# KiCad board bells-venn-rounded.kicad_pcb (continued)
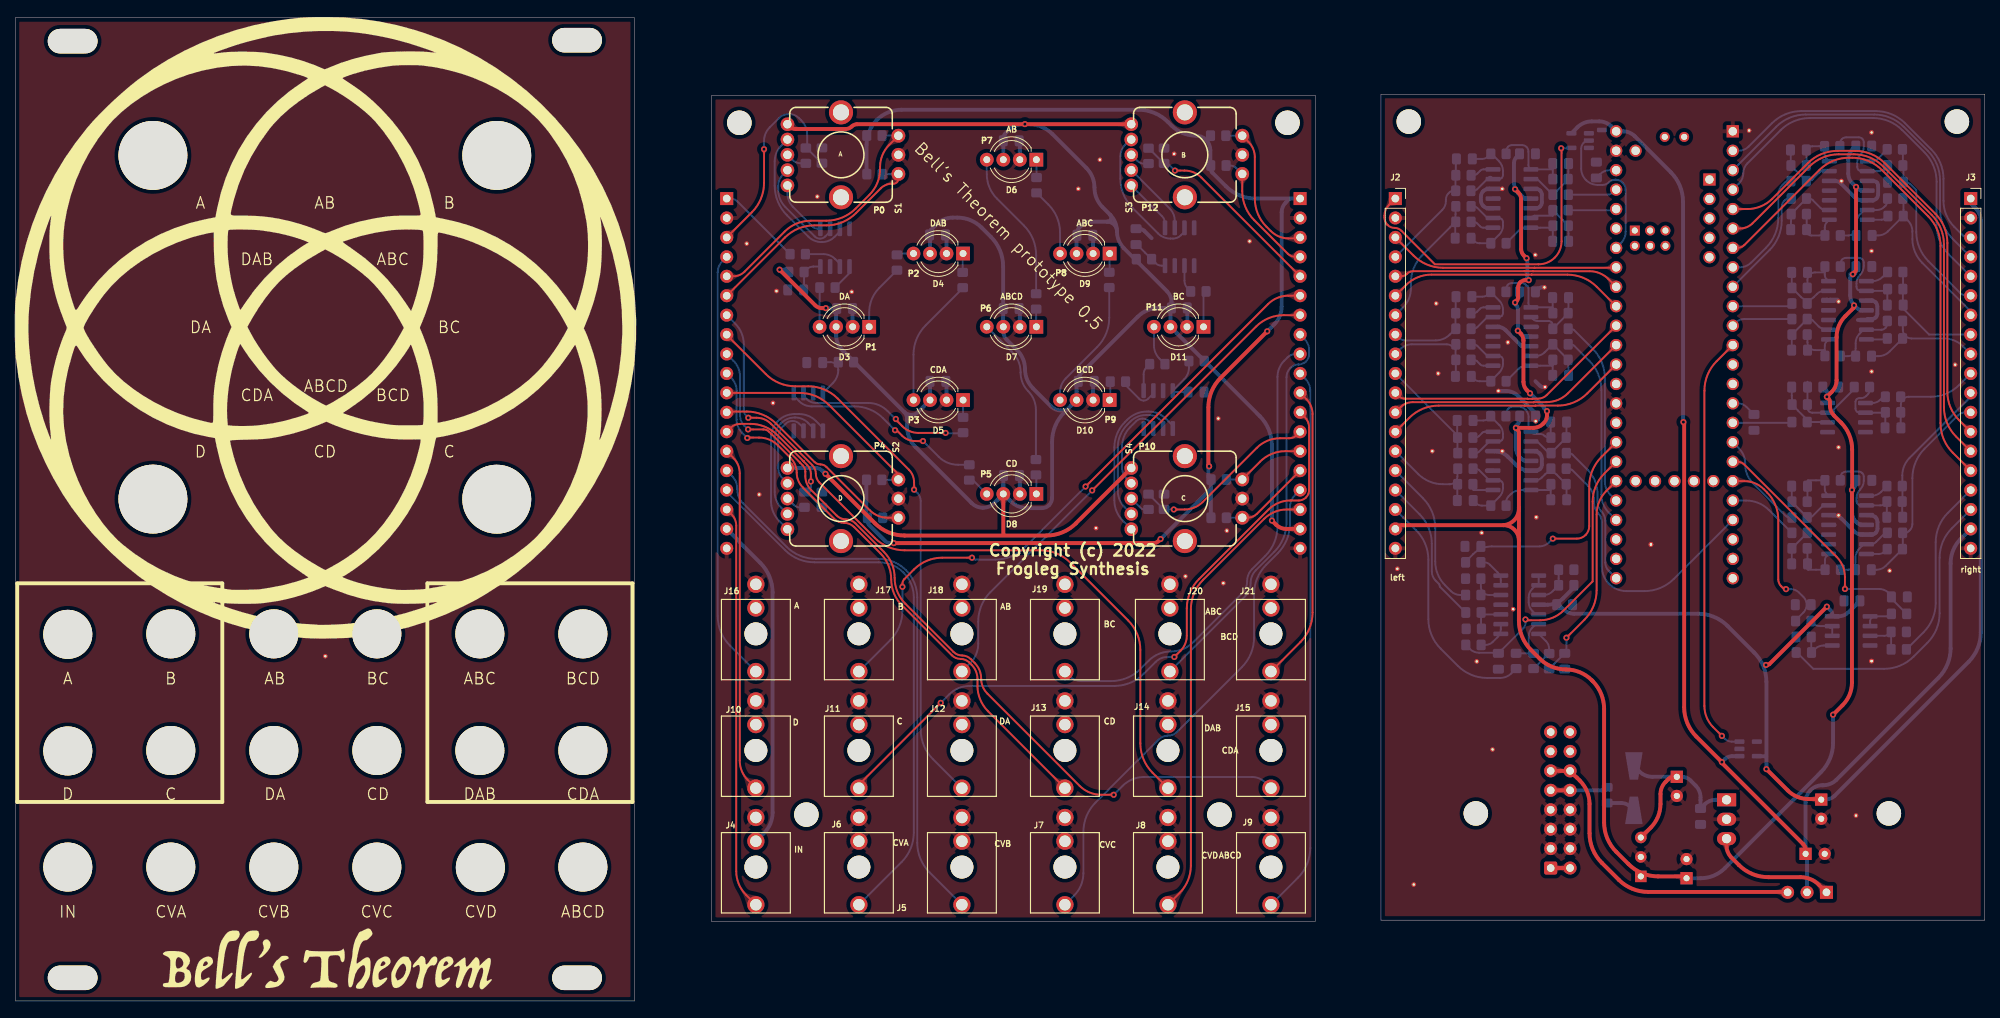
[diagram p0: board, top side]
## Routing (per net, layer and track width the routed paths; a pad name or vN(x,y) marks a point on that pad's centre or on a via; arc(x,y) is an arc through that point) (continued)
Net-(C59-Pad2): length 3.3
  Bottom w0.25: U1.15 225.09,78.11 arc(225.7,77.98) 226.22,77.64 C59.2
Net-(C60-Pad1): length 2.9
  Bottom w0.25: U1.46 208.34,108.59 arc(207.67,108.45) 207.11,108.08 C60.1
Net-(C62-Pad2): length 8.6
  Bottom w0.25: 244.35,61.19 243.14,59.98 arc(242.79,59.75) 242.38,59.66 241.94,59.66 ; U6.6 241.72,59.69 arc(241.55,59.66) 241.4,59.56 241,59.15 arc(240.6,58.56) 240.46,57.86 240.46,57.34 arc(240.17,56.65) 239.48,56.36 R46.1
Net-(C63-Pad2): length 9.3
  Bottom w0.25: R44.1 238.49,84.29 arc(238.51,84.28) 238.52,84.28 239.5,84.28 arc(240.2,84.57) 240.49,85.27 240.49,85.97 arc(240.62,86.64) 241,87.22 241.39,87.6 arc(241.53,87.7) 241.71,87.73 U5.6 243.85,87.73 arc(244.14,87.79) 244.38,87.95 arc(244.54,88.2) 244.6,88.49 244.6,88.87
Net-(C64-Pad2): length 13.9
  Bottom w0.25: 238.45,111.71 238.45,112.08 arc(238.51,112.38) 238.68,112.64 arc(238.94,112.82) 239.25,112.88 240.9,112.88 arc(241.15,112.83) 241.36,112.69 arc(241.5,112.48) 241.55,112.23 241.55,111.67 arc(241.44,111.11) 241.13,110.64 arc(240.81,110.16) 240.7,109.6 240.7,109.01 arc(240.74,108.8) 240.86,108.62 arc(241.04,108.5) 241.25,108.46 243.4,108.46 arc(243.88,108.55) 244.29,108.83 arc(244.53,108.87) 244.66,108.67 244.66,107.01 arc(244.66,107.01) C64.2
Net-(C65-Pad2): length 9.2
  Bottom w0.25: 244.63,104.88 244.63,104.53 arc(244.56,104.2) 244.38,103.93 244.23,103.78 arc(243.79,103.48) 243.26,103.38 U4.6 241.81,103.38 arc(241.64,103.34) 241.49,103.25 241.09,102.85 arc(240.7,102.26) 240.56,101.57 240.56,101.09 arc(240.26,100.36) 239.52,100.05 R42.1
Net-(C66-Pad2): length 14.1
  Bottom w0.25: 238.51,95.99 238.51,96.37 arc(238.56,96.66) 238.73,96.91 arc(238.97,97.07) 239.26,97.13 240.9,97.13 arc(241.15,97.08) 241.36,96.94 arc(241.5,96.73) 241.55,96.48 241.55,96.06 arc(241.43,95.44) 241.07,94.91 241.05,94.89 arc(240.71,94.38) 240.6,93.78 240.6,93.37 arc(240.64,93.15) 240.76,92.97 arc(240.94,92.85) 241.15,92.81 U5.2 244.27,92.81 arc(244.42,92.84) 244.55,92.93 244.64,93.02 arc(244.63,93.01) 244.63,92.98 C66.2
Net-(C67-Pad2): length 14.2
  Bottom w0.25: 238.51,68.05 238.51,68.43 arc(238.56,68.72) 238.73,68.97 arc(238.97,69.13) 239.26,69.19 240.87,69.19 arc(241.13,69.14) 241.35,68.99 arc(241.5,68.77) 241.55,68.51 241.55,68 arc(241.43,67.38) 241.08,66.86 241.07,66.84 arc(240.73,66.34) 240.61,65.74 240.61,65.32 arc(240.65,65.11) 240.77,64.93 arc(240.95,64.81) 241.16,64.77 U6.2 243.72,64.77 arc(244.05,64.83) 244.33,65.02 244.57,65.26 arc(244.56,65.25) 244.56,65.24 244.56,63.22
Net-(C68-Pad2): length 10.1
  Bottom w0.25: 244.3,76.89 U7.2 241.02,76.89 arc(240.81,76.93) 240.63,77.05 arc(240.51,77.23) 240.47,77.44 240.47,78.31 arc(240.5,78.49) 240.61,78.64 arc(240.76,78.74) 240.94,78.78 241.16,78.78 arc(241.54,78.86) 241.87,79.07 242.09,79.29 arc(242.27,79.57) 242.33,79.89 242.33,80.24 ; C68.2 244.35,74.93 arc(244.37,74.95) 244.37,74.98 R54.2
Net-(D1-Pad2): length 3.8
  Bottom w0.508: L1.1 209.87,25.87 arc(210.5,25.75) 211.03,25.4 D1.2
Net-(D3-Pad1): length 8.7
  Bottom w0.25: D3.1 111.58,90 arc(111.93,91.74) 112.91,93.21 R8.2
Net-(D3-Pad4): length 5.1
  Bottom w0.25: 105.11,93.23 D3.4
Net-(D4-Pad1): length 2.4
  Bottom w0.25: R22.1 123.8,97.64
Net-(D4-Pad4): length 2
  Bottom w0.25: D4.4 115.39,97.69
Net-(D5-Pad1): length 2.3
  Bottom w0.25: R25.2 D5.1
Net-(D5-Pad4): length 17
  Bottom w0.25: 123.8,93.14 118.97,88.31 arc(117.79,86.54) 117.37,84.46 D5.4
Net-(D6-Pad1): length 2.3
  Bottom w0.25: R30.1 133.45,109.93
Net-(D6-Pad4): length 19.8
  Bottom w0.25: D6.4 126.95,108.08 arc(127.29,106.34) 128.28,104.87 131.81,101.34 arc(132.99,99.57) 133.4,97.49 R27.1
Net-(D7-Pad1): length 2.3
  Bottom w0.25: R27.2 133.4,88.14
Net-(D7-Pad4): length 19.6
  Bottom w0.25: R28.1 133.37,77.27 arc(133.11,78.58) 132.37,79.69 arc(131.63,80.8) 131.37,82.1 131.37,82.19 arc(131.09,83.58) 130.31,84.76 D7.4
Net-(D8-Pad1): length 2.4
  Bottom w0.25: 133.43,68.7 D8.1
Net-(D8-Pad4): length 2.6
  Bottom w0.25: 125.14,68.08 D8.4
Net-(D9-Pad1): length 2.4
  Bottom w0.25: D9.1 143,95.29
Net-(D9-Pad4): length 9
  Bottom w0.25: D9.4 136.53,100.41 arc(136.13,102.4) 135,104.09 133.47,105.62
Net-(D10-Pad1): length 2.3
  Bottom w0.25: R33.1 143.08,78.62
Net-(D10-Pad4): length 17
  Bottom w0.25: R31.2 142.95,89.3 arc(142.54,87.22) 141.36,85.45 137.26,81.36 arc(136.72,80.54) 136.53,79.58 D10.4
Net-(D11-Pad1): length 4.3
  Bottom w0.25: 155.27,92.41 D11.1
Net-(D11-Pad4): length 5.4
  Bottom w0.25: D11.4 148.79,85.7 arc(148.98,84.75) 149.51,83.96 R34.1
Net-(J1-Pad1): length 2.5
  Top w0.508: J1.1 J1.2
Net-(J1-Pad10): length 7.5
  Top w0.508: J1.9 J1.10
  Bottom w0.508: J1.10 207.36,27.53 arc(207.62,27.58) 207.83,27.73 208.03,27.92
Net-(J1-Pad11): length 41.4
  Top w0.508: J1.11 201.9,30.07 arc(203.08,29.84) 204.07,29.18 204.44,28.8 arc(205.38,27.4) 205.71,25.74 205.71,21.91 arc(206.13,19.83) 207.31,18.07 209.53,15.84 arc(211.3,14.66) 213.38,14.25 231.51,14.25 arc(231.54,14.24) 231.57,14.22 J24.3
Net-(J24-Pad1): length 16.6
  Top w0.508: J24.1 235.69,15.19 arc(234.59,15.92) 233.3,16.18 229.08,16.18 arc(226.99,16.59) 225.23,17.77 224.27,18.73 arc(223.79,19.45) 223.62,20.29 U2.3
Net-(R7-Pad1): length 2.7
  Bottom w0.25: R7.1 109.02,95.14
Net-(R9-Pad2): length 4.9
  Bottom w0.25: R9.2 105.61,97.61 arc(106.43,97.45) 107.12,96.99 107.75,96.36
Net-(R10-Pad2): length 5
  Bottom w0.25: U12.3 199.74,53.06 arc(200.36,53.18) 200.88,53.53 201.04,53.7 arc(201.51,54.4) 201.68,55.23 R12.1
Net-(R13-Pad1): length 4.8
  Bottom w0.25: R13.1 245.13,47.88 arc(245.03,48.01) 244.87,47.98 arc(244.59,47.79) 244.26,47.73 U13.3
Net-(R15-Pad1): length 5.1
  Bottom w0.25: R18.1 234.69,45.6 arc(234.69,45.58) 234.71,45.56 arc(234.72,45.55) 234.74,45.56 235.18,46 arc(235.69,46.34) 236.28,46.46 U13.5
Net-(R24-Pad2): length 26.1
  Top w0.25: v1(118.62,73.18) 117.59,73.18 arc(116.66,73.36) 115.87,73.89 115.24,74.53 arc(115.16,74.58) 115.06,74.6 v1(114.96,74.6)
  Bottom w0.25: v1(118.62,73.18) 120.68,71.12 arc(121.83,70.35) 123.19,70.08 R24.2 ; v1(114.96,74.6) 113.4,76.16 arc(111.68,77.31) 109.65,77.71 104.07,77.71 arc(103.17,77.89) 102.41,78.4 101.73,79.09
Net-(R25-Pad1): length 22.5
  Top w0.25: v1(115.06,76.07) 115.06,76.02 arc(115.07,75.98) 115.1,75.94 115.93,75.11 arc(116.88,74.47) 118.01,74.24 v1(121.56,74.24)
  Bottom w0.25: 123.77,74.19 121.65,74.19 arc(121.62,74.2) 121.59,74.22 v1(121.56,74.24) ; 103,79.09 103.46,78.62 arc(103.97,78.28) 104.57,78.16 111.44,78.16 arc(112.81,77.89) 113.97,77.12 114.99,76.09 arc(115.01,76.08) 115.04,76.07 v1(115.06,76.07)
Net-(R33-Pad2): length 4.8
  Bottom w0.25: 148.72,79.39 148.04,78.71 arc(147.77,78.53) 147.45,78.47 arc(147.13,78.53) 146.86,78.71 145.08,80.48
Net-(R34-Pad2): length 3.7
  Bottom w0.25: R34.2 147.84,82.84 arc(147.55,82.41) 147.45,81.89 U17.5
Net-(R55-Pad2): length 3.2
  Bottom w0.25: R55.2 243.4,110.09 arc(242.99,109.82) 242.52,109.73 U4.1
Net-(R56-Pad2): length 2.9
  Bottom w0.25: U4.7 243.86,102.11 arc(244.18,102.17) 244.44,102.35 244.69,102.59
Net-(R57-Pad2): length 3.2
  Bottom w0.25: U5.1 242.68,94.08 arc(243.41,94.23) 244.02,94.64 R57.2
Net-(R58-Pad2): length 2.6
  Bottom w0.25: U5.7 244.48,86.46
Net-(R59-Pad2): length 3.1
  Bottom w0.25: U6.1 242.62,66.04 arc(243.27,66.17) 243.82,66.54 R59.2
Net-(R60-Pad2): length 2.9
  Bottom w0.25: U6.7 243.5,58.42 arc(243.91,58.5) 244.27,58.74 244.58,59.06
Net-(R61-Pad2): length 2.6
  Bottom w0.25: 244.09,78.97 243.69,78.56 arc(243.24,78.26) 242.71,78.16 U7.1
Net-(R86-Pad2): length 3.1
  Bottom w0.25: U8.14 191.87,108.69 arc(191.62,108.64) 191.41,108.5 191.04,108.13 arc(190.82,107.98) 190.55,107.92 190.26,107.92
Net-(R87-Pad2): length 3.1
  Bottom w0.25: U8.8 191.86,101.07 arc(191.61,101.12) 191.4,101.26 191.03,101.63 arc(190.81,101.78) 190.54,101.83 190.25,101.83
Net-(R88-Pad2): length 3.1
  Bottom w0.25: 190.25,89.89 190.53,89.89 arc(190.8,89.94) 191.02,90.09 191.39,90.46 arc(191.6,90.6) 191.86,90.65 U9.14
Net-(R89-Pad2): length 3.1
  Bottom w0.25: 190.26,83.79 190.55,83.79 arc(190.82,83.74) 191.04,83.59 191.41,83.22 arc(191.62,83.08) 191.87,83.03 U9.8
Net-(R90-Pad2): length 2.9
  Bottom w0.25: U10.14 191.98,74.4 arc(191.85,74.37) 191.73,74.29 191.28,73.84 arc(191.05,73.69) 190.79,73.63 190.5,73.63
Net-(R91-Pad2): length 3.3
  Bottom w0.25: 190.5,67.54 190.5,66.88 arc(190.51,66.84) 190.53,66.81 arc(190.57,66.78) 190.61,66.78 U10.8
Net-(R93-Pad1): length 3.6
  Bottom w0.25: U16.6 152.78,94.13 arc(152.89,93.6) 153.19,93.15 R93.1
Net-(R104-Pad1): length 2.8
  Bottom w0.25: S1.3 101.55,109.94 arc(102.06,109.6) 102.66,109.48 R104.1
Net-(R114-Pad2): length 3.9
  Bottom w0.25: U13.2 242.38,49.63 arc(242.56,50.08) 243.01,50.27 244.6,50.27 arc(244.81,50.31) 245,50.43 R114.2
Net-(R115-Pad2): length 4.8
  Bottom w0.25: 237.3,48.87 237.17,48.73 ; 237.3,48.87 arc(237.38,48.88) 237.43,48.81 ; 237.3,48.87 arc(237.31,48.95) 237.24,49 ; 237.24,49 235.77,49 arc(235.33,49.08) 234.97,49.33 R115.2 ; 237.24,49 arc(237.37,48.94) 237.43,48.81 ; 237.43,48.81 U13.6
Net-(R116-Pad1): length 4.3
  Bottom w0.25: R119.1 191.52,54.13 arc(191.83,53.37) 192.58,53.06 U12.12
Net-(R117-Pad1): length 4.4
  Bottom w0.25: U12.10 191.79,50.52 ; R117.1 191.54,48.7
Net-(R118-Pad1): length 6.2
  Bottom w0.25: R118.1 197.96,45.44 arc(198.13,45.56) 198.09,45.76 arc(197.85,46.11) 197.77,46.52 197.77,47.67 arc(197.89,48.28) 198.23,48.79 198.69,49.25
Net-(R120-Pad2): length 5.9
  Bottom w0.25: 200.37,45.41 R120.2 ; R130.2 200.44,46.01 arc(200.33,46.57) 200.01,47.04 U12.7
Net-(R128-Pad2): length 4.5
  Bottom w0.25: U12.13 194.12,54.97 arc(194,55.55) 193.67,56.05 192.7,57.02 arc(192.36,57.25) 191.95,57.33 R128.2
Net-(R129-Pad2): length 4.3
  Bottom w0.25: R129.2 192.11,46.53 arc(192.63,46.64) 193.07,46.93 193.67,47.53 arc(194,48.03) 194.12,48.62 U12.9
Net-(R132-Pad1): length 2.7
  Bottom w0.25: 103.12,64.49 102.6,64.49 arc(102.11,64.59) 101.69,64.86 S2.3
Net-(R135-Pad1): length 2.8
  Bottom w0.25: 148.08,64.22 147.68,64.22 arc(147.3,64.29) 146.99,64.5 S4.3
Net-(R136-Pad1): length 2.7
  Bottom w0.25: S3.3 146.61,109.82 arc(147.03,109.53) 147.54,109.43 148.08,109.43
Net-(S1-Pad1): length 7.7
  Bottom w0.25: S1.1 100.9,105.55 arc(101.09,104.59) 101.63,103.77 104.21,101.2 arc(104.5,101) 104.84,100.94 U14.1
Net-(S1-Pad2): length 13.3
  Bottom w0.25: S1.2 100.29,107.98 arc(99.84,107.31) 99.69,106.52 99.69,106.04 arc(99.93,104.81) 100.63,103.76 104.48,99.92 arc(104.79,99.71) 105.16,99.64 arc(105.52,99.71) 105.84,99.92 106.48,100.56
Net-(S1-Pad4): length 19.6
  Bottom w0.25: 107.75,100.56 107.06,99.87 arc(106.3,99.37) 105.4,99.19 105.36,99.19 arc(104.42,99.37) 103.62,99.91 100.83,102.7 arc(99.65,104.47) 99.24,106.55 99.24,109.75 arc(99.45,110.84) 100.07,111.76 S1.4
Net-(S2-Pad1): length 21.9
  Bottom w0.25: S2.1 99.83,62.73 arc(99.03,63.92) 98.76,65.32 98.76,73.63 arc(98.99,74.81) 99.66,75.81 arc(100.66,76.48) 101.84,76.71 102.43,76.71 arc(103.62,76.47) 104.63,75.8 105.54,74.89
Net-(S2-Pad2): length 17.5
  Bottom w0.25: S2.2 100.07,64.49 arc(99.45,65.41) 99.24,66.5 99.24,73.55 arc(99.44,74.59) 100.03,75.47 100.09,75.53 arc(100.9,76.07) 101.86,76.26 101.92,76.26 arc(102.82,76.08) 103.58,75.57 104.27,74.89
Net-(S2-Pad4): length 11.3
  Bottom w0.25: 103,74.89 102.44,75.44 arc(102.03,75.72) 101.55,75.81 arc(101.07,75.72) 100.67,75.44 100.36,75.14 arc(99.86,74.39) 99.69,73.51 99.69,69.73 arc(99.84,68.94) 100.29,68.27 S2.4
Net-(S3-Pad1): length 7.3
  Bottom w0.25: U16.1 150.24,101.62 arc(150.14,102.14) 149.84,102.58 S3.1
Net-(S3-Pad2): length 9.8
  Bottom w0.25: U16.2 151.51,101.98 arc(151.34,102.84) 150.85,103.57 S3.2
Net-(S3-Pad4): length 18.5
  Bottom w0.25: 152.78,100.53 152.34,100.09 arc(151.84,99.76) 151.26,99.64 150.95,99.64 arc(150.08,99.82) 149.34,100.31 145.99,103.65 arc(144.81,105.42) 144.4,107.5 144.4,110.35 arc(144.57,111.21) 145.06,111.93 145.71,112.59
Net-(S4-Pad1): length 22.4
  Bottom w0.25: 151.26,75.19 150.33,76.12 arc(149.31,76.8) 148.11,77.04 147.9,77.04 arc(146.49,76.76) 145.31,75.97 145,75.66 arc(143.98,74.13) 143.62,72.33 143.62,65.44 arc(143.91,63.99) 144.73,62.77 S4.1
Net-(S4-Pad2): length 18
  Bottom w0.25: 149.99,75.54 149.47,76.06 arc(148.89,76.45) 148.21,76.58 147.75,76.58 arc(146.65,76.36) 145.71,75.74 145.31,75.34 arc(144.39,73.96) 144.07,72.33 144.07,66.67 arc(144.3,65.52) 144.95,64.54 S4.2
Net-(S4-Pad4): length 11.8
  Bottom w0.25: S4.4 145.23,68.27 arc(144.78,68.94) 144.62,69.73 144.62,72.38 arc(144.9,73.81) 145.71,75.02 146.46,75.77 arc(146.84,76.03) 147.3,76.12 arc(147.76,76.03) 148.14,75.77 148.72,75.19
Net-(U1-Pad42): length 19.8
  Bottom w0.25: 205.24,112.46 204.93,112.15 arc(204.7,111.8) 204.62,111.4 204.62,108.82 arc(204.79,107.99) 205.26,107.29 arc(205.96,106.82) 206.79,106.66 207.42,106.66 arc(207.87,106.75) 208.24,107 arc(208.62,107.25) 209.07,107.34 209.12,107.34 arc(209.61,107.24) 210.03,106.96 210.05,106.95 arc(210.34,106.51) 210.44,106 210.44,100.55 arc(210.28,99.74) 209.82,99.05 U1.42
Net-(U12-Pad1): length 5.7
  Bottom w0.25: 198.69,54.33 198.23,53.87 arc(197.89,53.35) 197.76,52.74 197.76,52.11 arc(197.89,51.5) 198.23,50.99 198.69,50.52 ; U12.1 U12.2

## Copper pours and planes (outline as drawn; the poured copper is in the pictures)
+3V3 on Top: 234.39,26.14 234.56,26.13 234.71,26.11 234.84,26.08 234.95,26.04 235.05,25.99 235.14,25.93 235.23,25.87 235.33,25.79 235.45,25.71 235.58,25.63 236.39,26.28 235.71,27.06 235.56,27 235.43,26.94 235.31,26.88 235.21,26.83 235.1,26.78 234.99,26.73 234.87,26.7 234.74,26.67 234.58,26.65 234.39,26.64
+3V3 on Bottom: 166.2,104.62 166.4,104.62 166.56,104.59 166.7,104.56 166.82,104.52 166.92,104.47 167.03,104.41 167.24,104.27 167.37,104.19 167.52,104.11 168.32,104.88 167.52,105.64 167.37,105.56 167.24,105.49 167.03,105.35 166.92,105.29 166.82,105.23 166.7,105.19 166.56,105.16 166.4,105.14 166.2,105.13
+3V3 on Bottom: 237.66,50.74 237.62,50.88 237.57,50.99 237.51,51.08 237.45,51.16 237.38,51.23 237.31,51.3 237.25,51.36 237.2,51.43 237.15,51.52 237.12,51.62 236.59,51.68 236.6,51.16 236.75,51.11 236.82,51.08 236.89,51.04 236.95,51.01 237.01,50.96 237.06,50.9 237.1,50.83 237.14,50.74 237.16,50.64
+3V3 on Bottom: 256.89,103.01 256.79,103.25 256.69,103.45 256.6,103.63 256.53,103.79 256.47,103.93 256.42,104.08 256.39,104.23 256.37,104.4 256.36,104.59 256.37,104.82 255.37,105.27 254.95,104.25 255.14,104.09 255.32,103.96 255.48,103.85 255.63,103.76 255.78,103.66 255.92,103.55 256.05,103.42 256.18,103.26 256.3,103.06 256.43,102.81
+3V3 on Bottom: 237.39,26.85 237.26,26.77 237.14,26.73 237.03,26.72 236.93,26.74 236.83,26.77 236.73,26.82 236.51,26.95 236.4,27.01 236.27,27.07 235.59,26.27 236.46,25.66 236.6,25.76 236.72,25.84 236.83,25.91 236.94,25.97 237.14,26.09 237.26,26.15 237.38,26.23 237.52,26.32 237.69,26.44
+5V on Top: 166.2,61.44 166.4,61.44 166.56,61.41 166.7,61.38 166.82,61.34 166.92,61.29 167.03,61.23 167.24,61.09 167.37,61.01 167.52,60.93 168.32,61.7 167.52,62.46 167.37,62.38 167.24,62.31 167.03,62.17 166.92,62.11 166.82,62.05 166.7,62.01 166.56,61.98 166.4,61.96 166.2,61.95
+5V on Top: 129.36,64.48 129.37,64.68 129.39,64.86 129.43,65 129.48,65.13 129.53,65.24 129.6,65.35 129.67,65.46 129.75,65.58 129.83,65.72 129.92,65.88 129.11,66.72 128.3,65.88 128.38,65.72 128.46,65.58 128.54,65.46 128.62,65.35 128.68,65.24 128.74,65.13 128.79,65 128.82,64.86 128.85,64.68 128.85,64.48
+5V on Top: 102.49,114.22 102.33,114.24 102.2,114.27 102.1,114.32 102.02,114.39 101.95,114.48 101.89,114.58 101.84,114.69 101.79,114.8 101.73,114.93 101.66,115.06 100.52,114.83 100.9,113.7 101.09,113.7 102.08,113.71 102.27,113.72 102.49,113.72
+5V on Top: 233.26,20.5 233.35,20.4 233.41,20.3 233.43,20.2 233.43,20.1 233.41,20.01 233.38,19.91 233.33,19.81 233.28,19.7 233.23,19.59 233.19,19.47 234.01,18.83 234.51,19.79 234.4,19.91 234.31,20.02 234.23,20.12 234.16,20.21 234.03,20.4 233.95,20.49 233.86,20.6 233.76,20.73 233.62,20.86
+5V on Top: 165.21,62.21 165.09,62.28 165,62.35 164.92,62.41 164.85,62.47 164.79,62.54 164.74,62.6 164.7,62.67 164.66,62.75 164.62,62.83 164.59,62.92 164.07,62.93 164.08,62.41 164.18,62.37 164.27,62.32 164.34,62.27 164.41,62.22 164.47,62.15 164.54,62.09 164.62,62.02 164.71,61.94 164.81,61.86 164.93,61.78
+5V on Top: 144.76,68.23 144.91,68.37 145.05,68.47 145.17,68.55 145.29,68.6 145.41,68.64 145.53,68.67 145.8,68.73 145.95,68.77 146.12,68.82 146.15,69.97 144.99,69.95 144.94,69.78 144.9,69.63 144.84,69.36 144.82,69.24 144.78,69.12 144.72,69 144.64,68.87 144.54,68.74 144.4,68.59
+5V on Top: 144.06,114.34 144.27,114.33 144.44,114.31 144.58,114.27 144.7,114.23 144.82,114.17 144.92,114.1 145.15,113.96 145.29,113.87 145.44,113.79 146.28,114.59 145.44,115.39 145.29,115.31 145.15,115.23 144.92,115.08 144.82,115.01 144.7,114.96 144.58,114.91 144.44,114.88 144.27,114.85 144.06,114.85
+5V on Bottom: 138.43,99.48 138.42,99.27 138.4,99.1 138.36,98.95 138.32,98.83 138.26,98.72 138.19,98.61 138.12,98.5 138.04,98.38 137.96,98.24 137.87,98.08 138.68,97.24 139.49,98.08 139.41,98.24 139.33,98.38 139.25,98.5 139.18,98.61 139.11,98.72 139.05,98.83 139,98.95 138.97,99.1 138.95,99.27 138.94,99.48
+5V on Bottom: 128.83,89.92 128.82,89.71 128.8,89.53 128.76,89.38 128.72,89.25 128.66,89.14 128.6,89.03 128.52,88.91 128.45,88.79 128.37,88.65 128.29,88.48 129.12,87.66 129.91,88.53 129.82,88.69 129.73,88.82 129.58,89.05 129.51,89.16 129.45,89.27 129.4,89.39 129.37,89.54 129.34,89.71 129.34,89.92
+5V on Bottom: 129.73,86.6 129.63,86.73 129.57,86.84 129.56,86.96 129.57,87.07 129.61,87.18 129.67,87.29 129.82,87.53 129.89,87.66 129.95,87.8 129.07,88.56 128.47,87.48 128.6,87.34 128.69,87.22 128.77,87.11 128.84,87 128.9,86.89 128.96,86.78 129.03,86.66 129.12,86.53 129.23,86.39 129.38,86.24
+5V on Bottom: 107.01,89.92 107,89.71 106.98,89.54 106.94,89.39 106.9,89.26 106.84,89.15 106.77,89.04 106.62,88.8 106.54,88.67 106.45,88.5 107.26,87.66 108.07,88.5 107.99,88.67 107.91,88.8 107.76,89.04 107.69,89.15 107.63,89.26 107.58,89.39 107.55,89.54 107.53,89.71 107.52,89.92
+5V on Bottom: 234.39,17.65 234.4,17.85 234.41,18.02 234.44,18.16 234.47,18.28 234.51,18.4 234.6,18.62 234.64,18.75 234.69,18.89 234.73,19.06 233.85,19.62 233.33,18.72 233.43,18.61 233.59,18.43 233.67,18.34 233.73,18.26 233.78,18.17 233.83,18.07 233.86,17.95 233.88,17.81 233.88,17.65
+5V on Bottom: 233.88,15.89 233.88,15.69 233.86,15.53 233.82,15.39 233.78,15.28 233.73,15.17 233.67,15.07 233.53,14.85 233.45,14.72 233.37,14.57 234.14,13.77 234.9,14.57 234.82,14.72 234.75,14.85 234.61,15.07 234.55,15.17 234.49,15.28 234.45,15.39 234.42,15.53 234.4,15.69 234.39,15.89
+5V on Bottom: 119.28,99.48 119.27,99.27 119.25,99.1 119.21,98.95 119.16,98.83 119.11,98.72 119.04,98.61 118.97,98.5 118.89,98.38 118.81,98.24 118.72,98.08 119.53,97.24 120.34,98.08 120.26,98.24 120.18,98.38 120.1,98.5 120.02,98.61 119.96,98.72 119.9,98.83 119.85,98.95 119.82,99.1 119.79,99.27 119.79,99.48
+5V on Bottom: 128.85,111.75 128.85,111.54 128.82,111.37 128.79,111.22 128.74,111.1 128.68,110.98 128.62,110.88 128.54,110.77 128.46,110.65 128.38,110.51 128.3,110.35 129.11,109.51 129.92,110.35 129.83,110.51 129.75,110.65 129.67,110.77 129.6,110.88 129.53,110.98 129.48,111.1 129.43,111.22 129.39,111.37 129.37,111.54 129.36,111.75
+5V on Bottom: 102.67,69.91 102.46,69.92 102.29,69.94 102.15,69.98 102.03,70.03 101.91,70.08 101.81,70.15 101.58,70.3 101.45,70.38 101.29,70.46 100.45,69.66 101.29,68.86 101.45,68.94 101.58,69.02 101.81,69.17 101.91,69.24 102.03,69.29 102.15,69.34 102.29,69.37 102.46,69.4 102.67,69.41
+5V on Bottom: 107.65,86.19 107.59,86.4 107.57,86.58 107.57,86.74 107.6,86.88 107.66,87.01 107.72,87.13 107.8,87.26 107.89,87.4 107.98,87.55 108.07,87.72 107.26,88.56 106.45,87.72 106.63,87.35 106.7,87.21 106.77,87.07 106.83,86.93 106.89,86.79 106.95,86.64 107.02,86.47 107.09,86.27 107.17,86.03
+5V on Bottom: 233.69,20.82 233.69,20.64 233.67,20.48 233.64,20.35 233.6,20.24 233.55,20.14 233.5,20.04 233.37,19.84 233.3,19.72 233.23,19.58 233.95,18.83 234.67,19.58 234.6,19.72 234.52,19.84 234.4,20.04 234.34,20.14 234.3,20.24 234.26,20.35 234.23,20.48 234.21,20.64 234.2,20.82
+5V on Bottom: 254.51,60.32 254.65,60.45 254.78,60.55 254.9,60.63 255.02,60.68 255.13,60.72 255.24,60.75 255.5,60.81 255.64,60.84 255.8,60.89 255.82,62 254.72,61.98 254.67,61.81 254.63,61.67 254.58,61.42 254.55,61.3 254.51,61.19 254.46,61.07 254.38,60.95 254.28,60.82 254.15,60.68
+10V on Top: 197.05,80.05 197.11,79.94 197.18,79.85 197.24,79.77 197.3,79.7 197.4,79.58 197.45,79.52 197.49,79.45 197.53,79.38 197.56,79.29 198.08,79.28 198.08,79.79 198,79.82 197.93,79.85 197.87,79.88 197.81,79.92 197.76,79.96 197.7,80 197.65,80.06 197.6,80.13 197.55,80.21 197.49,80.3
+10V on Top: 216.82,16.03 216.98,16.02 217.12,16 217.23,15.97 217.33,15.93 217.41,15.87 217.49,15.81 217.57,15.73 217.74,15.56 217.84,15.46 218.77,15.92 218.27,16.83 218.1,16.8 217.95,16.77 217.82,16.73 217.59,16.65 217.47,16.61 217.34,16.58 217.19,16.56 217.02,16.54 216.82,16.54
+10V on Top: 181.9,62.44 181.68,62.44 181.5,62.45 181.34,62.46 181.21,62.48 180.95,62.51 180.82,62.52 180.68,62.54 180.53,62.54 180.34,62.55 179.96,61.5 181.02,61.19 181.1,61.3 181.17,61.42 181.23,61.52 181.29,61.62 181.36,61.71 181.43,61.79 181.51,61.85 181.62,61.89 181.74,61.92 181.9,61.93
+10V on Bottom: 196.3,92.15 196.26,92.06 196.22,91.98 196.17,91.91 196.13,91.86 196.07,91.81 196.02,91.77 195.96,91.74 195.84,91.66 195.77,91.62 195.88,91.12 196.38,91.25 196.4,91.33 196.42,91.41 196.46,91.47 196.5,91.53 196.59,91.65 196.64,91.72 196.69,91.79 196.74,91.89 196.78,92
+10V on Bottom: 239.57,107.09 239.64,106.97 239.72,106.87 239.79,106.79 239.86,106.71 239.92,106.65 239.98,106.58 240.03,106.52 240.08,106.45 240.12,106.37 240.16,106.27 240.68,106.26 240.67,106.78 240.58,106.81 240.51,106.84 240.44,106.88 240.37,106.92 240.31,106.97 240.25,107.02 240.19,107.09 240.13,107.16 240.07,107.25 240,107.36
+10V on Bottom: 94.34,60.68 94.21,60.82 94.11,60.95 94.03,61.07 93.98,61.19 93.94,61.3 93.91,61.42 93.85,61.67 93.82,61.81 93.77,61.98 92.66,62 92.69,60.89 92.85,60.84 92.99,60.81 93.24,60.75 93.36,60.72 93.47,60.68 93.59,60.63 93.71,60.55 93.84,60.45 93.98,60.32
+10V on Bottom: 196.31,75.83 196.27,75.72 196.23,75.63 196.18,75.56 196.14,75.5 196.09,75.44 196.03,75.39 195.87,75.25 195.8,75.19 196.02,74.72 196.49,74.95 196.48,75.03 196.49,75.1 196.51,75.16 196.54,75.22 196.58,75.28 196.66,75.4 196.71,75.48 196.75,75.57 196.79,75.67
+10V on Bottom: 98.31,22.99 98.15,22.74 98,22.54 97.84,22.4 97.68,22.3 97.5,22.22 97.31,22.17 97.11,22.13 96.9,22.08 96.66,22.02 96.4,21.94 96.38,20.48 97.84,20.51 97.93,20.79 98.08,21.23 98.15,21.42 98.21,21.61 98.29,21.79 98.37,21.99 98.48,22.21 98.6,22.46 98.76,22.76
+10V on Bottom: 219.98,16.3 219.8,16.3 219.64,16.32 219.51,16.35 219.4,16.39 219.3,16.44 219.2,16.49 219,16.62 218.88,16.69 218.74,16.76 217.99,16.04 218.74,15.32 218.88,15.39 219,15.46 219.2,15.59 219.3,15.65 219.4,15.69 219.51,15.73 219.64,15.76 219.8,15.78 219.98,15.79
+12V on Top: 213.29,22.59 213.17,22.48 213.05,22.39 212.95,22.32 212.85,22.27 212.75,22.23 212.65,22.2 212.43,22.15 212.31,22.11 212.17,22.07 212.15,21.1 213.12,21.12 213.17,21.26 213.2,21.38 213.26,21.6 213.29,21.7 213.32,21.79 213.38,21.89 213.44,22 213.53,22.11 213.65,22.24
+12V on Top: 215.89,28.51 216,28.6 216.1,28.66 216.19,28.69 216.29,28.7 216.38,28.69 216.48,28.67 216.58,28.63 216.69,28.59 216.81,28.56 216.93,28.52 217.51,29.38 216.55,29.86 216.43,29.74 216.33,29.64 215.89,29.22 215.79,29.12 215.67,29.01 215.53,28.87
+12V on Bottom: 215.52,29.04 215.7,29.04 215.86,29.02 215.99,28.99 216.1,28.95 216.2,28.9 216.3,28.85 216.51,28.72 216.63,28.65 216.77,28.58 217.52,29.3 216.77,30.02 216.63,29.94 216.51,29.87 216.3,29.75 216.2,29.69 216.1,29.64 215.99,29.6 215.86,29.58 215.7,29.56 215.52,29.55
+12V on Bottom: 218.81,29.23 218.65,29.34 218.5,29.43 218.38,29.5 218.26,29.56 218.06,29.67 217.95,29.72 217.84,29.79 217.71,29.86 217.57,29.96 216.72,29.32 217.43,28.56 217.56,28.62 217.67,28.69 217.87,28.82 217.97,28.87 218.07,28.91 218.17,28.93 218.28,28.92 218.39,28.89 218.52,28.81
+12V on Bottom: 221.45,25.88 221.68,25.97 221.88,26.02 222.07,26.04 222.24,26.02 222.39,25.98 222.55,25.91 222.71,25.83 222.87,25.73 223.05,25.63 223.25,25.52 224.05,26.29 223.25,27.05 223.02,26.95 222.82,26.87 222.63,26.81 222.46,26.76 222.12,26.67 221.94,26.62 221.73,26.55 221.5,26.46 221.23,26.34
/main/3Venable on Top: 223.4,84.51 223.54,84.64 223.67,84.73 223.79,84.79 223.9,84.83 224.02,84.85 224.13,84.86 224.26,84.87 224.39,84.89 224.53,84.92 224.7,84.97 224.72,86.01 223.68,85.99 223.63,85.83 223.6,85.68 223.58,85.55 223.57,85.42 223.56,85.31 223.54,85.19 223.5,85.08 223.44,84.96 223.35,84.83 223.22,84.69
GND on Top: 80.9,-0.03 0,-0.03 0,128.5 80.9,128.5
GND on Top: 257.3,10.52 178.44,10.52 178.44,118.59 257.3,118.59
GND on Top: 169.88,118.31 169.85,10.41 91.01,10.41 90.98,118.34
GND on Bottom: 80.9,-0.03 0,-0.03 0,128.5 80.9,128.5
GND on Bottom: 257.3,10.52 178.44,10.52 178.44,118.59 257.3,118.59
GND on Bottom: 169.88,10.41 91.01,10.44 90.98,118.34 169.88,118.36
